# KiCad board squishy-main.kicad_pcb (continued)
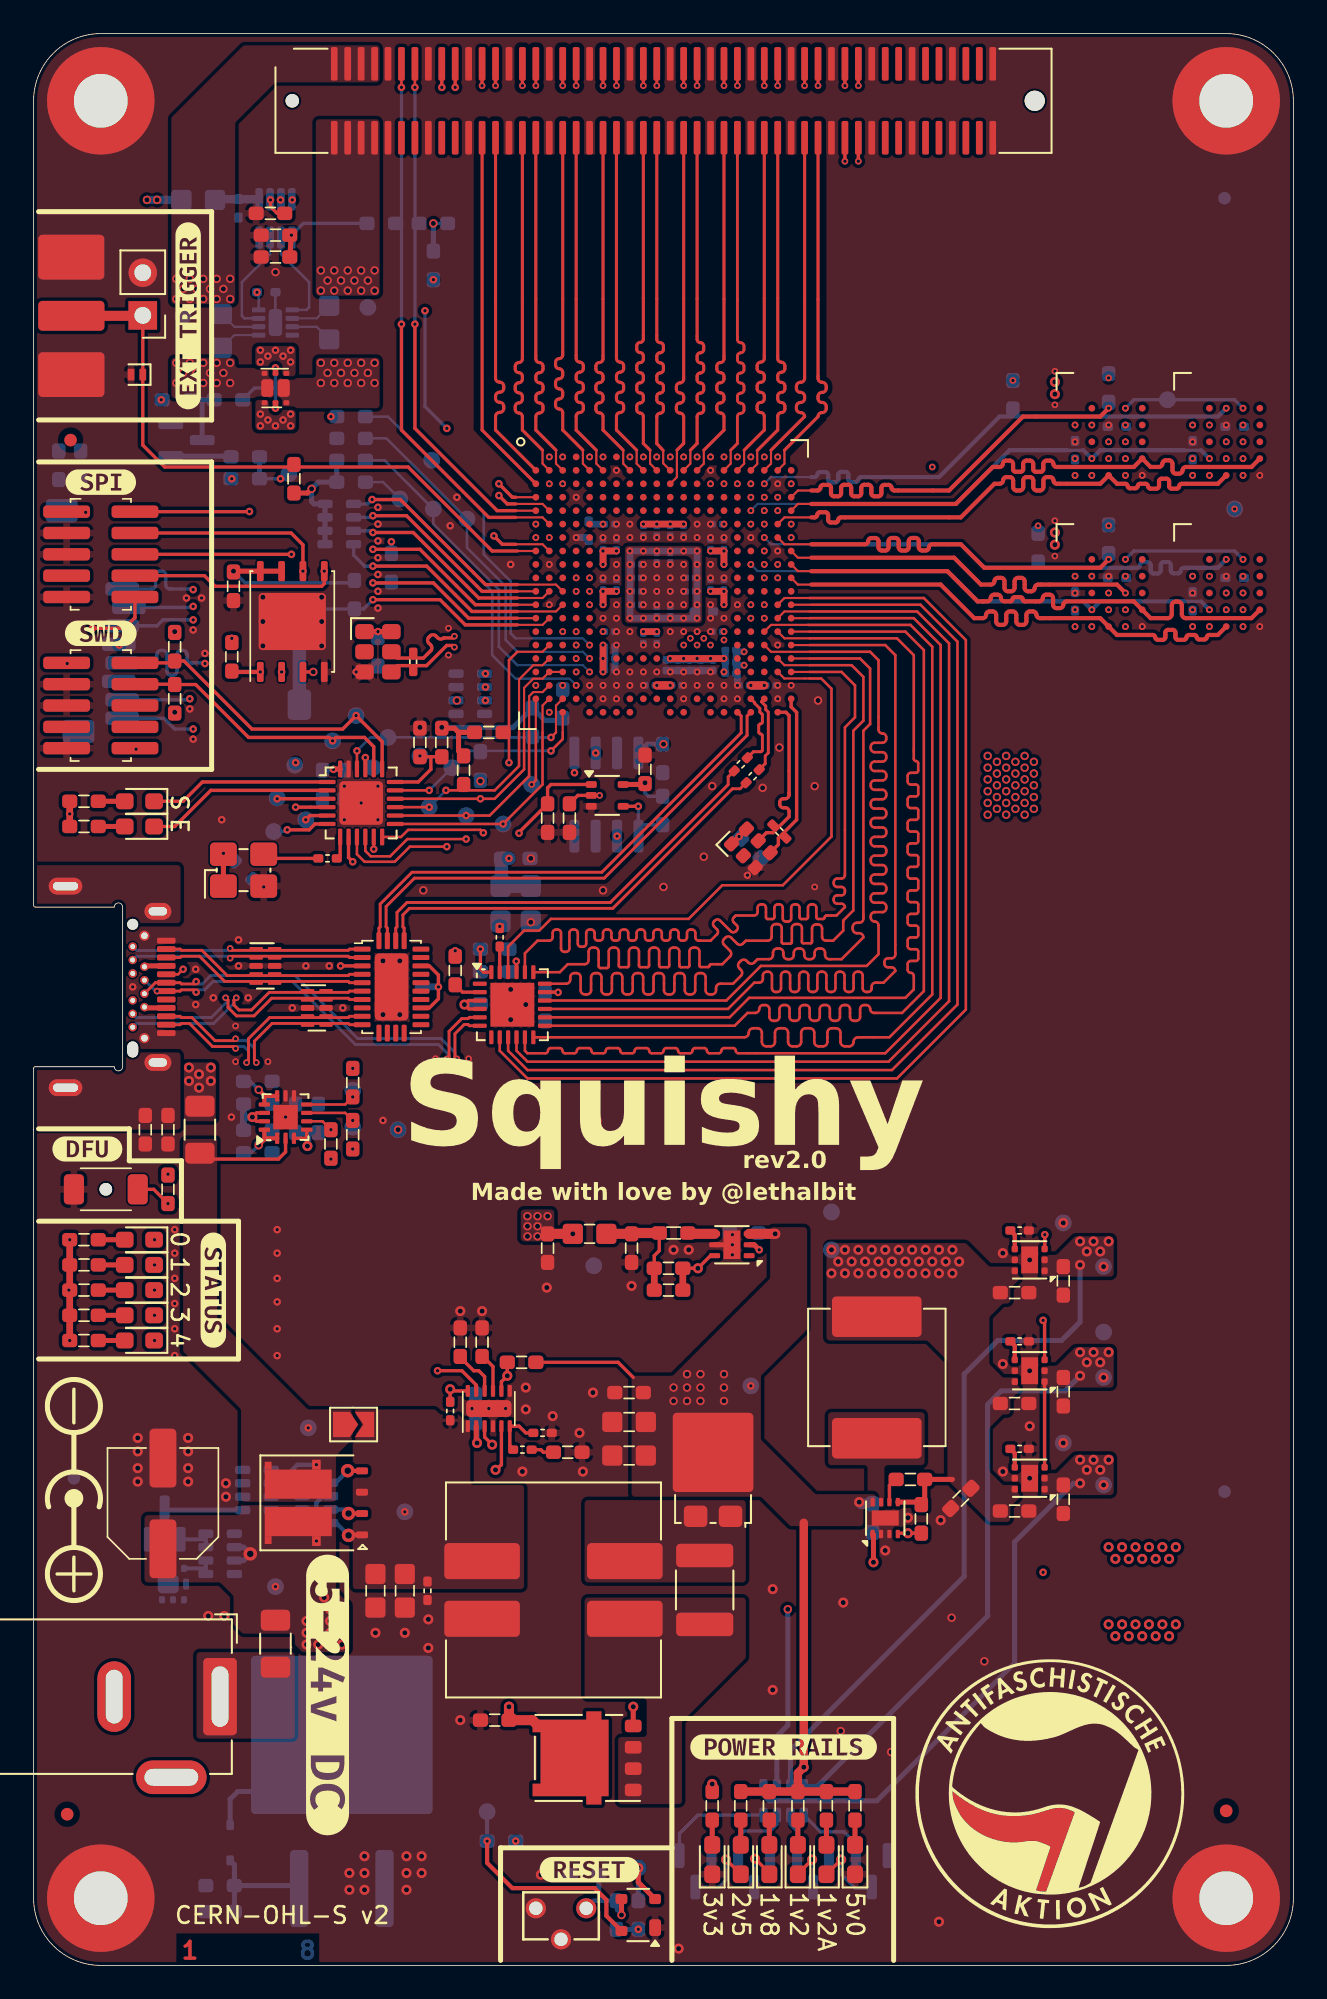
[diagram p0: board, top side]
## Routing (per net, layer and track width the routed paths; a pad name or vN(x,y) marks a point on that pad's centre or on a via; arc(x,y) is an arc through that point)
+1V2: length 56.4
  Bottom w0.3: v1(62.3,41.7) 62.3,38.3 61.2,37.2 57.4,37.2 55.4,35.2 55.4,23.15 45.05,12.8 R35.4
  Bottom w0.4: v3(35.5,84.2) v3(39.5,84.2) v3(39.5,80.2) v3(35.5,80.2) v3(35.5,84.2)
  vias: v1(62.3,43.1) v1(62.7,42.5) v1(63.1,43.1) v1(63.5,42.5) v1(63.7,41.6) v1(64,43.1) v3(35.5,83.4) v3(35.5,82.6) v3(35.5,81.8) v3(35.5,81) v3(36.3,84.2) v3(36.3,80.2) v3(37.1,84.2) v3(37.1,80.2) v3(37.9,84.2) v3(37.9,80.2) v3(38.7,84.2) v3(38.7,80.2) v3(39.5,83.4) v3(39.5,82.6) v3(39.5,81.8) v3(39.5,81) v4(56.8,72) v4(56.8,71.3) v4(56.8,70.6) v4(56.8,69.9) v4(56.8,69.2) v4(56.8,68.5) v4(57.35,71.65) v4(57.35,70.95) v4(57.35,70.25) v4(57.35,69.55) v4(57.35,68.85) v4(57.9,72) v4(57.9,71.3) v4(57.9,70.6) v4(57.9,69.9) v4(57.9,69.2) v4(57.9,68.5) v4(58.45,71.65) v4(58.45,70.95) v4(58.45,70.25) v4(58.45,69.55) v4(58.45,68.85) v4(59,72) v4(59,71.3) v4(59,70.6) v4(59,69.9) v4(59,69.2) v4(59,68.5) v4(59.55,71.65) v4(59.55,70.95) v4(59.55,70.25) v4(59.55,69.55) v4(59.55,68.85)
+1V2A: length 60.9
  Top w0.2: U17.3 U16.1
  Top w0.4: v3(37.9,77.8) v3(38.7,77.8) v3(39.5,77.8) v3(41.1,77.8) ; v3(33.9,77) v3(33.9,78.6)
  In5.Cu w0.5: v3(33.9,77.8) v3(33.9,78.6) ; v3(33.9,77.8) v3(33.9,77) ; v3(33.9,77.8) v3(37.9,77.8) v3(41.1,77.8) v3(41.1,77)
  Bottom w0.3: R35.2 46.65,10.65 56.8,20.8 56.8,33.4 57.6,34.2 61.4,34.2 v1(62.3,35.1)
  Bottom w0.4: 37.9,77.72 C84.2 38.7,77.72 ; 37.9,77.72 v3(37.9,77.8) ; 37.9,77.72 C83.2 ; 38.7,77.72 C85.2 39.5,77.72 ; 38.7,77.72 v3(38.7,77.8) ; v3(33.9,77.8) C56.2 ; C56.2 C55.2 33.9,77.02 v3(33.9,77) ; C56.2 C54.2 ; 39.5,77.72 C82.2 C81.2 40.38,77.72 v3(40.3,77.8) v3(41.1,77.8) 41.18,77.72 C59.2 ; 39.5,77.72 v3(39.5,77.8) ; C57.2 C59.2 ; C59.2 C58.2 41.18,76.92 v3(41.1,77)
  vias: v1(62.3,36.5) v1(62.7,35.9) v1(63.1,36.5) v1(63.5,35.9) v1(63.7,35) v1(64,36.5)
+1V8: length 55.4
  Top w0.2: v2(60.1,38.4) 60.19,38.31 U16.3 ; v2(60.2,43.5) 60.2,42.66 U20.3 ; 28.75,59.12 28.75,59.76 v2(28.74,59.78)
  Top w0.4: v3(40.3,84.2) v3(41.1,84.2) v3(41.1,83.4)
  Top w0.6: v1(32.1,43.55) C48.1
  In2.Cu w0.3: v2(60.1,38.4) v2(60.1,23.4)
  In4.Cu w0.3: v2(60.2,43.5) 60.2,38.5 v2(60.1,38.4) ; v3(58.3,94.35) 58.85,94.35 59.7,93.5
  In4.Cu w0.6: 30.4,47.3 30.4,58.11 v2(28.74,59.78)
  Bottom w0.2: v2(28.74,59.78) 28.74,59.59 C13.1 ; 60.1,43.4 v2(60.2,43.5)
  Bottom w0.3: v4(44.9,21.2) 44.9,14.3 44.25,13.65 R35.6
  Bottom w0.4: v3(41.1,83.4) v3(41.1,84.2) v3(40.3,84.2)
  vias: v3(59.8,85.7) v3(62,89.7) v3(62,80.7) v3(64,94.5) v3(64,85.7) v3(65,91.7) v3(65,88.7) v3(65,82.7) v3(65,79.7) v3(69,89.7) v3(69,80.7) v3(72,91.7) v3(72,88.7) v3(72,82.7) v3(72,79.7) v4(29.4,44.6) v4(29.4,44) v4(29.4,43.4) v4(30,44.6) v4(30,44) v4(30,43.4) v4(30.6,44.6)
+2V5: length 66.4
  Top w0.5: v3(42.7,76.2) v3(43.5,76.2) ; v3(37.1,76.2) v3(37.9,76.2)
  In5.Cu w0.5: v3(37.1,76.2) v3(37.9,76.2) 37.9,75.3 38.6,74.6 42.4,74.6 42.7,74.9 v3(42.7,76.2) 43.1,76.2 ; v3(33.9,79.4) 33.62,79.4 31.5,81.52 31.5,83.1 33.42,85.02 33.42,85.32 v3(33.9,85.8) 33.9,86.08 34.32,86.5 40.68,86.5 41.1,86.08 v3(41.1,85.8) ; v3(41.1,79.4) 42.7,79.4 43.1,79 43.1,76.2 ; 43.1,76.2 v3(43.5,76.2)
  Bottom w0.3: R35.8 43.45,10.15 43.8,9.8 50.2,9.8 58.4,18 58.4,25.2 61.9,28.7 v1(62.3,28.7)
  Bottom w0.4: v3(33.9,85.8) 33.2,85.8 C64.2 ; C111.2 v3(37.9,76.2)
  Bottom w0.5: v3(42.7,76.2) v3(43.5,76.2)
  vias: v1(62.3,30.1) v1(62.7,29.5) v1(63.1,30.1) v1(63.5,29.5) v1(63.7,28.6) v1(64,30.1) v3(38.7,78.6) v3(39.1,79) v3(39.5,78.6) v3(39.9,79) v3(40.3,78.6) v3(41.1,78.9)
+3V3: length 101.8
  Top w0.2: U10.3 16.25,49.24 16.26,49.25 ; U9.17 31.21,57.94 v2(31.22,57.92) ; U12.3 v4(16.65,77) ; U5.22 23.56,59.5 24.1,58.96 v2(24.1,58.25) 24.1,57.54 23.56,57 U5.17 ; U10.4 16.26,49.25 ; 16.26,49.25 16.26,48.81 v1(16.3,48.77) ; 17.88,71.22 v2(17.85,71.2) ; U9.3 25.89,57.44 v1(25.65,57.2) 25.91,56.94 U9.4
  Top w0.3: U23.5 52.7,27.58 R55.2 ; v4(16.55,87.9) 16.3,87.65 R60.1 ; C47.1 36.45,70.4 v4(36.4,70.4) C47.1 ; C47.1 36.35,70.3 U24.5 ; X1.6 v2(20.5,79.4) X1.1 ; X4.1 X4.4 ; C99.1 v2(15.35,103) C98.1 ; 25.3,73.4 25.3,72.3 R5.1 ; 25.3,73.4 R74.1 ; 25.3,73.4 25.05,73.65 R12.1 ; U21.2 42.9,42.9 v2(43.2,42.6) ; 42.35,67.57 42.37,67.57 ; U11.24 17.88,71.22 ; 52.75,27.53 53.05,27.83 R57.1 54.7,28.93 ; 41.57,66.77 v2(42,67.2) ; C23.1 v1(11.9,83) U12.8 14.76,83 ; 42,67.21 X3.6
  Top w0.4: v3(33.9,83.4) v3(33.9,84.2) v3(34.7,84.2) ; v3(33.9,81) v3(33.9,81.8) v3(34.7,81.8) ; v3(36.3,85.8) v3(38.7,85.8) ; R7.1 v2(2.15,68.55) R21.1 ; v2(2.15,43.2) 2.15,40.25 v2(2.1,40.2) 2.15,40.15 v2(2.15,37.2) ; v3(41.1,81) v3(41.1,81.8) v3(40.3,81.8) ; v3(36.3,79.4) v3(37.1,79.4)
  Bottom w0.152: U19.8 13.4,99.5 v2(13.3,99.6)
  Bottom w0.2: v1(11.9,83) 12.6,82.3 18.95,82.3 R28.1 ; R37.1 36.6,69.6 36.4,69.8 v4(36.4,70.4) ; v2(31.22,57.92) C12.2 ; v2(15.35,103) 16.05,103.7 R58.1 ; R49.1 v4(23.8,103.7)
  Bottom w0.3: v4(24.3,73.7) 28.55,73.7 R72.1 30.43,74.12 31.37,74.12 R73.1 ; R75.1 R77.1 16.95,88.3 v4(16.55,87.9) 16.55,87.15 16.7,87 R66.2 R66.8 ; R70.1 v2(21.3,84.75) ; U18.8 36.53,72.7 v4(37.5,72.7) C7.1 ; v2(11.3,66.2) 11.5,66.2 C22.1 ; 17.25,71.2 v2(17.85,71.2) 18.45,71.2 C19.1 ; R64.2 v4(23.8,103.7)
  Bottom w0.4: 16.32,49.57 16.32,48.8 v1(16.3,48.77) ; 16.32,49.57 C92.2 ; 16.32,49.57 C17.1 ; v3(33.9,83.4) C73.2 ; v3(33.9,84.2) v3(34.7,84.2) ; v3(36.3,79.4) v3(37.1,79.4) ; v3(36.3,85.8) v3(38.7,85.8) ; v3(33.9,81) v3(33.9,81.8) v3(34.7,81.8) ; v1(25.65,57.2) 25.7,57.25 C14.1 ; C11.1 v2(24.1,58.25) ; v3(40.3,81.8) v3(41.1,81.8) v3(41.1,81)
  Bottom w0.5: v4(6.75,105.1) v4(7.35,105.1) FB3.1
  Bottom w0.8: v2(28.3,65.9) C15.1 27.85,64.3 X2.4 X2.1
  vias: v1(40.4,10.8) v1(47.5,42.6) v1(47.5,41.2) v1(47.9,41.9) v1(48.3,42.6) v1(48.3,41.2) v1(48.7,41.9) v1(49.1,42.6) v1(49.1,41.2) v1(49.5,41.9) v1(49.9,42.6) v1(49.9,41.2) v1(50.3,41.9) v1(50.7,42.6) v1(50.7,41.2) v1(51.1,41.9) v1(51.5,42.6) v1(51.5,41.2) v1(51.9,41.9) v1(52.3,42.6) v1(52.3,41.2) v1(52.7,41.9) v1(53.1,42.6) v1(53.1,41.2) v1(53.5,41.9) v1(53.9,42.6) v1(53.9,41.2) v1(54.3,41.9) v1(54.7,42.6) v1(54.7,41.2) v1(55.1,41.9) v1(64,24.9) v1(64,20.3) v1(64.4,24.2) v1(64.4,19.6) v1(64.8,24.9) v1(64.8,20.3) v1(65.2,24.2) v1(65.2,19.6) v1(65.6,24.9) v1(65.6,20.3) v1(66,24.2) v1(66,19.6) v1(66.4,24.9) v1(66.4,20.3) v1(66.8,24.2) v1(66.8,19.6) v1(67.2,24.9) v1(67.2,20.3) v1(67.6,24.2) v1(67.6,19.6) v1(68,24.9) v1(68,20.3) v2(2,77.5) v2(3.1,86.5) v2(5.1,78.6) v2(8,47.1) v2(11.8,88.5) v2(11.8,79) v2(13.5,96.15) v2(13.5,95.45) v2(13.95,95.8) v2(14.4,96.15) v2(14.85,95.8) v2(15.3,96.15) v2(15.3,95.45) v2(17.7,92.2) v2(17.7,48) v2(19,53.4) v2(19,48.6) v3(37.1,85.8) v3(37.9,85.8) v4(8.4,79.4) v4(8.4,74.6) v4(25.2,75.3) v4(26.6,70.5)
+5V: length 78.7
  Top w0.2: 35.7,35 34.8,35.9 R18.2 ; U10.12 13.28,50.75 v1(13.03,50.5) 13.28,50.25 U10.13
  Top w0.5: R34.1 R31.1 ; 45.85,26.35 v1(45.85,11.8) 45.5,11.45 R79.1
  Top w0.6: U21.3 v1(44.15,43.55)
  In4.Cu w0.4: 12.9,92 8.8,92 v2(7.6,93.2) ; 37.1,7.4 43.7,7.4 45.85,9.55 v1(45.85,11.8) ; 37.1,7.4 v2(28.7,7.4) ; 37.1,7.4 37.1,3.25 v2(36,2.15) ; v2(25.1,60.4) 23.5,62 15.9,62
  Bottom w0.3: v2(36,2.15) 35,2.15
  Bottom w0.4: 12.5,50.5 C16.1 ; 12.5,50.5 12.5,51.07 ; 12.5,50.5 v1(13.03,50.5)
  Bottom w0.6: C46.1 49.25,27.48 v1(49.15,27.58) ; v1(44.15,43.55) 43.15,43.55
  vias: v2(13.5,92.35) v2(13.5,91.65) v2(13.95,92) v2(14.4,91.65) v2(14.85,92) v2(15.3,92.35) v2(15.3,91.65) v2(42.7,34.5) v4(38.1,34.4) v4(38.1,33.6) v4(38.9,35.2) v4(38.9,34.4) v4(38.9,33.6) v4(39.7,35.2) v4(39.7,34.4) v4(39.7,33.6) v4(41.1,35.2) v4(41.1,34.4) v4(41.1,33.6)
/USB Frontend/VBUS_S: length 1.6
  Top w0.2: R9.2 25.54,57.94 U9.2
GND: length 11.5
  Top w0.3: U21.5 U21.7
  Bottom w0.152: U19.9 C96.1
  Bottom w0.4: v3(40.3,77) 40.38,77.08 C81.1 C82.1 39.5,77.08 ; v3(38.7,77) 38.7,77.08 ; 38.7,77.08 C85.1 39.5,77.08 ; 38.7,77.08 C84.1 37.9,77.08 ; C83.1 37.9,77.08 ; 37.9,77.08 v3(37.9,77) ; v3(42.3,77.4) 41.82,77.4 ; 41.82,77.4 C58.1 41.9,76.82 v3(41.9,76.2) ; 41.82,77.4 C59.1 C57.1 41.92,78.2 v3(42.3,78.2) ; 39.5,77.08 v3(39.5,77) ; C64.1 32.9,85 v3(32.3,85) ; C54.1 C56.1 C55.1 34.62,77.08 v3(34.7,77)
  vias: v1(6.2,31.4) v1(6.2,30.6) v1(6.2,29.6) v1(6.2,28.8) v1(9.2,31.4) v1(9.2,30.6) v1(9.2,29.6) v1(9.2,28.8) v1(10.4,20.8) v1(11.35,20.8) v1(11.45,28.7) v1(11.45,27.9) v1(18.8,5.5) v1(18.8,4.5) v1(19.7,6.5) v1(19.7,5.5) v1(19.7,4.5) v1(20.35,19.8) v1(20.8,59.8) v1(20.8,56.6) v1(21.8,59.8) v1(21.8,56.6) v1(22.1,19.8) v1(22.2,6.5) v1(22.2,5.5) v1(22.2,4.5) v1(23.1,6.5) v1(23.1,5.5) v1(23.5,20.6) v1(23.5,18.9) v1(25.4,38.95) v1(25.4,14.6) v1(26.7,38.95) v1(28.4,58.1) v1(28.4,56.3) v1(29.1,29.4) v1(29.3,57.2) v1(29.3,34.4) v1(29.3,33.1) v1(30.2,5.4) v1(30.55,40.35) v1(30.9,32.7) v1(32.5,31.7) v1(32.7,29.4) v1(33.3,34.1) v1(35.6,40.45) v1(38.1,42.6) v1(38.4,1) v1(39,42.6) v1(44,22.4) v1(44,16.4) v1(48.2,21.6) v1(50.7,24.7) v1(52.05,26.65) v1(53.9,2.6) v1(54,26.5) v1(57.7,42.4) v1(57.7,35.8) v1(57.7,29.4) v1(59.3,42) v1(59.3,35.4) v1(59.3,32.1) v1(59.3,29) v1(61.3,44.2) v1(61.3,31.1) v2(5.9,58.25) v2(8.4,43.8) v2(8.4,42.4) v2(8.4,40.9) v2(8.4,39.4) v2(8.4,37.9) v2(8.4,36.3) v2(9.1,81.4) v2(9.3,74.8) v2(9.5,79.5) v2(9.5,73) v2(9.65,59.3) v2(9.65,57.2) v2(10,81.4) v2(10.2,78.1) v2(10.7,57.6) v2(11.2,68.2) v2(11.78,50.5) v2(12.2,61.05) v2(12.2,59.5) v2(12.78,57.6) v2(13.7,64.2) v2(14.5,43.8) v2(14.5,42.4) v2(14.5,40.9) v2(14.5,39.5) v2(14.5,37.9) v2(14.5,36.3) v2(15,50.5) v2(15.4,57) v2(16.21,59.5) v2(17.6,59.5) v2(18.41,57) v2(18.5,70.2) v2(18.5,68.2) v2(19.2,77) v2(19.5,69.2) v2(20.5,86.8) v2(20.5,85.8) v2(20.5,84.8) v2(20.5,83.8) v2(20.5,82.8) v2(20.5,81.8) v2(20.5,80.8) v2(20.5,70.2) v2(20.5,68.2) v2(20.8,50.3) v2(24.8,85.7) v2(25.2,87.4) v2(26.1,33.15) v2(27.1,33.15) v2(28.1,33.15) v2(28.4,83.4) v2(33.6,50.3) v2(41.6,43.5) v2(41.6,42.9) v2(41.6,42.3) v2(42.5,64.9) v3(12.03,55.92) v3(12.03,53.8) v3(13.95,53.8) v3(23.93,53.98) v3(24.7,79.6) v3(24.7,78) v3(25.9,53.97) v3(30.7,83.4) v3(30.7,81) v3(32.3,87.4) v3(33.1,76.2) v3(33.9,85) v3(33.9,82.6) v3(33.9,80.2) v3(33.9,76.2) v3(33.9,75.4) v3(34.7,89) v3(34.7,85.8) v3(34.7,85) v3(34.7,83.4) v3(34.7,82.6) v3(34.7,81) v3(34.7,80.2) v3(34.7,79.4) v3(34.7,78.6) v3(34.7,76.2) v3(34.7,75.4) v3(35.5,85.8) v3(35.5,85) v3(35.5,79.4) v3(35.5,77) v3(35.5,76.2) v3(36.3,85) v3(36.3,83.4) v3(36.3,82.6) v3(36.3,81.8) v3(36.3,81) v3(36.3,78.6) v3(36.3,77) v3(36.3,76.2) v3(37.1,85) v3(37.1,83.4) v3(37.1,82.6) v3(37.1,81.8) v3(37.1,81) v3(37.1,78.6) v3(37.1,77) v3(37.9,85) v3(37.9,83.4) v3(37.9,82.6) v3(37.9,81.8) v3(37.9,81) v3(37.9,79.4) v3(38.7,85) v3(38.7,83.4) v3(38.7,82.6) v3(38.7,81.8) v3(38.7,81) v3(38.7,79.4) v3(38.7,76.2) v3(38.7,75.4) v3(39.5,85.8) v3(39.5,85) v3(39.5,79.4) v3(39.5,76.2) v3(40.3,89) v3(40.3,85.8) v3(40.3,85) v3(40.3,83.4) v3(40.3,82.6) v3(40.3,81) v3(40.3,80.2) v3(40.3,79.4) v3(40.3,76.2) v3(41.1,85) v3(41.1,82.6) v3(41.1,80.2) v3(41.1,76.2) v3(41.1,75.4) v3(41.9,81) v3(41.9,75.4) v3(42.7,85) v3(44.3,88.2) v3(44.3,84.2) v3(44.3,78.6) v3(44.3,76.2) v3(44.3,75.4) v3(45.1,76.2) v3(46.5,64.2) v3(60.8,94.9) v3(60.8,92.9) v3(60.8,86) v3(60.8,83.9) v3(62,90.7) v3(62,81.7) v3(64,91.7) v3(64,82.7) v3(66,88.7) v3(66,79.7) v3(69,90.7) v3(69,81.7) v3(71,91.7) v3(71,82.7) v3(73,88.7) v3(73,79.7) v4(13.65,81.45) v4(13.65,80) v4(13.65,78.55) v4(14.4,100.8) v4(17.15,81.45) v4(17.15,80) v4(17.15,78.55) v4(23,73.7) v4(23.2,64) v4(29.6,65.9) v4(29.6,62.1) v4(33.9,64) v4(37.5,64.2) v4(39.9,66) v4(40.4,70.2) v4(43.4,70.1) v4(44.4,72.5) v4(46.5,70.2) v4(46.7,75.3) v4(48.05,13.95) v4(51.05,12.7) v4(54.65,20.7) v4(56.6,18.1)
VBUS: length 9.4
  Top w0.2: U10.2 15,48.42 14.57,48 10.25,48 F2.2
  Bottom w0.25: R46.6 14.6,28.7 15.71,29.81 v2(16.83,29.81)
  vias: v2(16.35,32)
VCC: length 2.2
  Top w0.25: v5(18.75,25.6) 18.78,25.63 Q10.1
  Bottom w0.25: v5(18.75,25.6) 18.01,26.33 17.69,26.33
  vias: v2(22.1,27)
/ADC_CH: length 31.4
  Top w0.2: R59.1 14.5,104.3 14.1,104.7 v2(14.1,105.1)
  In5.Cu w0.127: v3(29.9,85) 28.7,85
  In5.Cu w0.2: 28.7,85 28.2,85 25.9,87.3 25.9,90.9 20.7,96.1 16.7,96.1 15.3,97.5 15.3,101 14.1,102.2 v2(14.1,105.1)
/ADC_CLK: length 28.4
  In5.Cu w0.127: v3(29.9,85.8) 28.7,85.8
  In5.Cu w0.2: v2(15.4,105.1) 15.4,103.9 16.4,102.9 16.4,97.8 17.1,97.1 21.1,97.1 26.7,91.5 26.7,87.8 28.7,85.8
/ADC_DAT: length 30.1
  In5.Cu w0.127: v3(30.7,85) 30.3,85.4 28.7,85.4
  In5.Cu w0.2: 28.7,85.4 28.5,85.4 26.3,87.6 26.3,91.2 20.9,96.6 16.9,96.6 15.8,97.7 15.8,101.2 14.7,102.3 v2(14.7,105.1)
/DFU: length 35.6
  Top w0.2: v2(8,45.35) 7.15,46.2 SW2.2 ; U11.8 18.75,65.95 v2(19,65.7)
  In2.Cu w0.2: v2(19,65.7) 20.1,64.6 20.1,47.1 18.35,45.35 v2(8,45.35)
/FBIT_CS: length 8.2
  Top w0.152: U24.2 v3(33.7,69.65)
  Top w0.2: U24.2 32.4,69.65 R38.1
  In5.Cu w0.127: v3(30.7,74.6) 31.9,73.4
  In5.Cu w0.152: v3(33.7,69.65) 33.7,69.9 32.8,70.8 32.8,72.5 31.9,73.4
/FLASH_CIPO: length 29.5
  Top w0.2: v2(15.1,67.6) 16.4,67.6 16.75,67.95 U11.6 ; v2(15.35,84) J8.6
  In2.Cu w0.2: v2(15.35,84) 15.35,83 14.76,82.41 v2(14.76,77) 14.75,76.98 14.75,76.05 15.1,75.7 v2(15.1,67.6)
  Bottom w0.152: TP27.1 15,67.5 v2(15.1,67.6)
/FLASH_CLK: length 28.2
  Top w0.2: U11.4 v2(15.6,68.95) ; J8.4 15.33,85.27 16.03,84.56 v2(16.03,83)
  In2.Cu w0.2: 16.05,82.98 v2(16.03,83) 15.4,82.36 15.4,76.15 15.6,75.95 15.6,71.85 15.6,71.85 15.6,71.85 15.6,68.95 v2(15.6,68.95)
  vias: v2(15.6,71.6)
/FLASH_COPI: length 29.2
  Top w0.2: J8.8 10.17,82.73 10.8,82.1 17.15,82.1 17.31,82.25 v2(17.31,83) ; v2(16.2,68.2) 16.45,68.45 U11.5
  In2.Cu w0.2: v2(16.2,68.2) 16.2,75.95 15.9,76.25 15.9,81.59 v2(17.31,83)
/FPGA_CCLK: length 23.9
  Top w0.127: U1.U3 U1.U2 30.3,76.6 29.75,76.6 29.2,76.05 29.2,73.4
  Top w0.152: U11.16 v2(26.6,69.45) 27.45,69.45 29.2,71.2 29.2,73.4
  In2.Cu w0.2: v2(33.47,72.17) 31.47,72.17 30.3,71 28.15,71 v2(26.6,69.45)
/FPGA_CFG0: length 6.6
  In5.Cu w0.127: v3(32.3,77) 28.7,77
  In5.Cu w0.152: v2(26.9,75.3) 27.6,75.3 27.9,75.6 27.9,76.4 28.5,77 28.7,77
/FPGA_CFG1: length 6.3
  In5.Cu w0.127: v3(32.3,77.8) 31.9,77.4 28.7,77.4
  In5.Cu w0.152: v2(26.9,76.1) 27.4,76.1 27.6,76.3 27.6,76.7 28.3,77.4 28.7,77.4
/FPGA_CFG2: length 6.5
  In5.Cu w0.127: v3(32.3,78.6) 31.5,77.8 28.7,77.8
  In5.Cu w0.152: 28.7,77.8 27.1,77.8 26.9,77.6 v2(26.9,76.9)
/FPGA_CIPO: length 25.1
  Top w0.127: U1.V2 30.3,75.8 29.75,75.8 29.5,75.55 29.5,73.4
  Top w0.152: 29.5,73.4 29.5,70.8 27.15,68.45 v2(25.75,68.45) U11.14
  In2.Cu w0.2: v2(34.74,67.22) 34.43,67.22 33.9,66.7 28.2,66.7 26.45,68.45 v2(25.75,68.45)
/FPGA_COPI: length 22.8
  Top w0.127: 30.3,73.4 30.3,75 U1.W2
  Top w0.152: 30.3,73.4 30.3,70.3 v2(27.95,67.95) U11.13
  In2.Cu w0.2: v2(32.2,71) 32.2,69.1 31.05,67.95 v2(27.95,67.95)
  Bottom w0.2: v2(32.2,71) 32.19,71 U18.5
/FPGA_DONE: length 12.9
  Top w0.127: U1.Y3 31.5,73.4
  Top w0.152: v2(30.8,72.3) 31.5,73 31.5,73.4 ; 23.5,69.95 v2(23.55,69.95) U11.17
  Bottom w0.152: v2(23.55,69.95) 25.9,72.3 v2(30.8,72.3)
/FPGA_LED0: length 61.5
  In2.Cu w0.127: v3(32.3,82.6) 28.8,82.6
  In2.Cu w0.2: v2(7.2,43.2) 20.8,43.2 22.4,44.8 22.4,60.7 21.2,61.9 21.2,73.8 26.4,79 26.4,81.4 27.6,82.6 28.8,82.6
/FPGA_LED1: length 63
  In2.Cu w0.127: 28.8,82.2 32.7,82.2 v3(33.1,82.6)
  In2.Cu w0.2: 28.8,82.2 27.8,82.2 26.8,81.2 26.8,78.8 21.7,73.7 21.7,62 22.9,60.8 22.9,44.6 20,41.7 v2(7.2,41.7)
/FPGA_LED2: length 62.5
  In2.Cu w0.127: v3(32.3,81.8) 28.8,81.8
  In2.Cu w0.2: v2(7.2,40.2) 19.2,40.2 23.4,44.4 23.4,60.9 22.2,62.1 22.2,73.6 27.2,78.6 27.2,81 28,81.8 28.8,81.8
/FPGA_LED3: length 67.9
  In2.Cu w0.127: 28.8,81.4 32.7,81.4 v3(33.1,81.8)
  In2.Cu w0.2: v2(7.2,38.7) 18.4,38.7 23.9,44.2 23.9,52.3 24.5,52.9 26.2,52.9 26.6,53.3 26.6,57.3 23.9,60 23.9,61.1 22.6,62.4 22.6,70.9 26.2,74.5 27.2,74.5 27.6,74.9 27.6,80.8 28.2,81.4 28.8,81.4
/FPGA_LED4: length 68.2
  In2.Cu w0.127: v3(33.1,81) 32.7,80.6 28.8,80.6
  In2.Cu w0.2: v2(7.2,37.2) 17.6,37.2 24.4,44 24.4,52.1 24.8,52.5 26.4,52.5 27.1,53.2 27.1,57.4 24.3,60.2 24.3,63.9 23,65.2 23,70.7 26.4,74.1 27.4,74.1 28,74.7 28,80.4 28.2,80.6 28.8,80.6
/FPGA_TCK: length 21.6
  Bottom w0.127: 28.8,78.2 32.7,78.2 v3(33.1,77.8)
  Bottom w0.152: 28.8,78.2 28.1,78.9 28.1,82.1 25.8,84.4 TP16.1 21,90.9 R6.2
/FPGA_TDI: length 22.3
  Bottom w0.127: v3(33.1,78.6) 32.7,79 28.7,79
  Bottom w0.152: 28.7,79 28.4,79.3 28.4,82.4 26.8,84 26.8,86.5 TP17.1 21.1,92.2 R76.2
/FPGA_TDO: length 19.8
  Bottom w0.127: v3(32.3,76.2) 31.9,76.6 28.7,76.6
  Bottom w0.152: 28.7,76.6 27.3,78 27.3,81.8 20.8,88.3 R77.2
/FPGA_TMS: length 21.1
  Bottom w0.127: v3(33.1,77) 32.7,77.4 28.8,77.4
  Bottom w0.152: R75.2 20.9,89.6 TP18.1 23.8,85.8 27.7,81.9 27.7,78.5 28.8,77.4
/PHY.ACK: length 21.9
  Top w0.127: 38.3,90.2 38.3,88.6 U1.C11
  Top w0.186: 38.3,90.2 38.7,90.6 38.7,92.19 arc(38.64,92.35) 38.48,92.41 arc(38.33,92.47) 38.26,92.63 38.26,92.79 arc(38.33,92.95) 38.48,93.01 arc(38.64,93.07) 38.7,93.23 38.7,93.39 arc(38.64,93.55) 38.48,93.61 arc(38.33,93.67) 38.26,93.83 38.26,93.99 arc(38.33,94.15) 38.48,94.21 arc(38.64,94.27) 38.7,94.43 J7.54
/PHY.ATN: length 21.9
  Top w0.127: 37.48,90.18 37.48,89.42 U1.B11
  Top w0.186: 37.48,90.18 37.1,90.6 37.1,92.2 arc(37.16,92.34) 37.3,92.4 arc(37.44,92.46) 37.5,92.6 37.5,92.8 arc(37.44,92.94) 37.3,93 arc(37.16,93.06) 37.1,93.2 37.1,93.4 arc(37.16,93.54) 37.3,93.6 arc(37.44,93.66) 37.5,93.8 37.5,94 arc(37.44,94.14) 37.3,94.2 arc(37.16,94.26) 37.1,94.4 37.1,94.6 arc(37.16,94.74) 37.3,94.8 arc(37.44,94.86) 37.5,95 37.5,95.2 arc(37.44,95.34) 37.3,95.4 arc(37.16,95.46) 37.1,95.6 37.1,95.8 arc(37.16,95.94) 37.3,96 arc(37.44,96.06) 37.5,96.2 37.5,96.4 arc(37.44,96.54) 37.3,96.6 arc(37.16,96.66) 37.1,96.8 J7.50
/PHY.BSY: length 25.4
  Top w0.17: J7.49 v3(37.1,111.9)
  In2.Cu w0.177: v3(37.9,89.8) 37.1,90.6 37.1,92.23 arc(37.17,92.4) 37.34,92.47 37.35,92.47 arc(37.52,92.54) 37.59,92.71 37.59,92.83 arc(37.52,93) 37.35,93.07 37.34,93.07 arc(37.17,93.14) 37.1,93.31 37.1,93.43 arc(37.17,93.6) 37.34,93.67 37.35,93.67 arc(37.52,93.74) 37.59,93.91 37.59,94.03 arc(37.52,94.2) 37.35,94.27 37.34,94.27 arc(37.17,94.34) 37.1,94.51 37.1,94.63 arc(37.17,94.8) 37.34,94.87 37.35,94.87 arc(37.52,94.94) 37.59,95.11 37.59,95.23 arc(37.52,95.4) 37.35,95.47 37.34,95.47 arc(37.17,95.54) 37.1,95.71 v3(37.1,111.9)
/PHY.BSY_DIR: length 25.4
  Top w0.186: J7.53 v3(38.7,111.9)
  In2.Cu w0.177: v3(38.7,89.8) 38.7,92.22 arc(38.64,92.37) 38.48,92.44 arc(38.32,92.5) 38.26,92.66 38.26,92.82 arc(38.32,92.97) 38.48,93.04 arc(38.64,93.1) 38.7,93.26 38.7,93.42 arc(38.64,93.57) 38.48,93.64 arc(38.32,93.7) 38.26,93.86 38.26,94.02 arc(38.32,94.17) 38.48,94.24 arc(38.64,94.3) 38.7,94.46 38.7,94.62 arc(38.64,94.77) 38.48,94.84 arc(38.32,94.9) 38.26,95.06 38.26,95.22 arc(38.32,95.37) 38.48,95.44 arc(38.64,95.5) 38.7,95.66 38.7,95.82 arc(38.64,95.97) 38.48,96.04 arc(38.32,96.1) 38.26,96.26 38.26,96.42 arc(38.32,96.57) 38.48,96.64 arc(38.64,96.7) 38.7,96.86 v3(38.7,111.9)
/PHY.C/D: length 21.9
  Top w0.127: 41.5,90.2 41.5,89.4 U1.B15
  Top w0.17: 41.5,90.2 41.9,90.6 41.9,92.2 arc(41.96,92.34) 42.1,92.4 arc(42.24,92.45) 42.29,92.59 42.29,92.8 arc(42.24,92.94) 42.1,93 arc(41.96,93.05) 41.9,93.19 41.9,93.4 arc(41.96,93.54) 42.1,93.6 arc(42.24,93.65) 42.29,93.79 42.29,94 arc(42.24,94.14) 42.1,94.2 arc(41.96,94.25) 41.9,94.39 41.9,94.6 arc(41.96,94.74) 42.1,94.8 arc(42.24,94.85) 42.29,94.99 42.29,95.2 arc(42.24,95.34) 42.1,95.4 arc(41.96,95.45) 41.9,95.59 41.9,95.8 arc(41.96,95.94) 42.1,96 arc(42.24,96.05) 42.29,96.19 42.29,96.4 arc(42.24,96.54) 42.1,96.6 arc(41.96,96.65) 41.9,96.79 J7.62
/PHY.DB0: length 21.9
  Top w0.127: U1.B5 32.7,89.4 32.7,90.2
  Top w0.186: J7.36 31.5,95.87 arc(31.44,95.71) 31.29,95.65 arc(31.14,95.59) 31.07,95.44 31.07,95.27 arc(31.14,95.11) 31.29,95.05 arc(31.44,94.99) 31.5,94.84 31.5,94.67 arc(31.44,94.51) 31.29,94.45 arc(31.14,94.39) 31.07,94.24 31.07,94.07 arc(31.14,93.91) 31.29,93.85 arc(31.44,93.79) 31.5,93.64 31.5,93.47 arc(31.44,93.31) 31.29,93.25 arc(31.14,93.19) 31.07,93.04 31.07,92.87 arc(31.14,92.71) 31.29,92.65 arc(31.44,92.59) 31.5,92.44 31.5,91.4 32.7,90.2
/PHY.DB1: length 25.4
  Top w0.17: J7.37 v3(32.3,111.9)
  In2.Cu w0.177: v3(32.3,111.9) 32.3,95.59 arc(32.36,95.45) 32.5,95.4 arc(32.64,95.34) 32.69,95.2 32.69,94.99 arc(32.64,94.85) 32.5,94.8 arc(32.36,94.74) 32.3,94.6 32.3,94.39 arc(32.36,94.25) 32.5,94.2 arc(32.64,94.14) 32.69,94 32.69,93.79 arc(32.64,93.65) 32.5,93.6 arc(32.36,93.54) 32.3,93.4 32.3,93.19 arc(32.36,93.05) 32.5,93 arc(32.64,92.94) 32.69,92.8 32.69,92.59 arc(32.64,92.45) 32.5,92.4 arc(32.36,92.34) 32.3,92.2 32.3,91.4 v3(33.9,89.8)
/PHY.DB2: length 21.9
  Top w0.127: 33.5,90.2 33.5,89.4 U1.B6
  Top w0.186: 33.5,90.2 32.3,91.4 32.3,92.23 arc(32.36,92.38) 32.51,92.44 arc(32.66,92.51) 32.73,92.66 32.73,92.83 arc(32.66,92.98) 32.51,93.04 arc(32.36,93.11) 32.3,93.26 32.3,93.43 arc(32.36,93.58) 32.51,93.64 arc(32.66,93.71) 32.73,93.86 32.73,94.03 arc(32.66,94.18) 32.51,94.24 arc(32.36,94.31) 32.3,94.46 32.3,94.63 arc(32.36,94.78) 32.51,94.84 arc(32.66,94.91) 32.73,95.06 32.73,95.23 arc(32.66,95.38) 32.51,95.44 arc(32.36,95.51) 32.3,95.66 J7.38
/PHY.DB3: length 25.4
  Top w0.186: J7.41 v3(33.9,111.9)
  In2.Cu w0.177: v3(33.9,111.9) 33.9,95.57 arc(33.84,95.43) 33.7,95.37 arc(33.56,95.31) 33.51,95.17 33.51,94.97 arc(33.56,94.83) 33.7,94.77 arc(33.84,94.71) 33.9,94.57 33.9,94.37 arc(33.84,94.23) 33.7,94.17 arc(33.56,94.11) 33.51,93.97 33.51,93.77 arc(33.56,93.63) 33.7,93.57 arc(33.84,93.51) 33.9,93.37 33.9,93.17 arc(33.84,93.03) 33.7,92.97 arc(33.56,92.91) 33.51,92.77 33.51,92.57 arc(33.56,92.43) 33.7,92.37 arc(33.84,92.31) 33.9,92.17 33.9,91.4 v3(35.5,89.8)
/PHY.DB4: length 21.9
  Top w0.127: 35.1,90.2 35.1,89.4 U1.B8
  Top w0.186: 35.1,90.2 33.9,91.4 33.9,92.21 arc(33.84,92.36) 33.69,92.42 arc(33.54,92.48) 33.47,92.63 33.47,92.81 arc(33.54,92.96) 33.69,93.02 arc(33.84,93.08) 33.9,93.23 33.9,93.41 arc(33.84,93.56) 33.69,93.62 arc(33.54,93.68) 33.47,93.83 33.47,94.01 arc(33.54,94.16) 33.69,94.22 arc(33.84,94.28) 33.9,94.43 33.9,94.61 arc(33.84,94.76) 33.69,94.82 arc(33.54,94.88) 33.47,95.03 33.47,95.21 arc(33.54,95.36) 33.69,95.42 arc(33.84,95.48) 33.9,95.63 J7.42
/PHY.DB5: length 25.4
  Top w0.17: J7.43 v3(34.7,111.9)
  In2.Cu w0.177: v3(34.7,111.9) 34.7,95.57 arc(34.76,95.43) 34.9,95.37 arc(35.04,95.31) 35.09,95.17 35.09,94.97 arc(35.04,94.83) 34.9,94.77 arc(34.76,94.71) 34.7,94.57 34.7,94.37 arc(34.76,94.23) 34.9,94.17 arc(35.04,94.11) 35.09,93.97 35.09,93.77 arc(35.04,93.63) 34.9,93.57 arc(34.76,93.51) 34.7,93.37 34.7,93.17 arc(34.76,93.03) 34.9,92.97 arc(35.04,92.91) 35.09,92.77 35.09,92.57 arc(35.04,92.43) 34.9,92.37 arc(34.76,92.31) 34.7,92.17 34.7,91.4 v3(36.3,89.8)
/PHY.DB6: length 21.9
  Top w0.127: 35.9,90.2 35.9,89.4 U1.B9
  Top w0.186: 35.9,90.2 34.7,91.4 34.7,92.23 arc(34.76,92.38) 34.91,92.44 arc(35.06,92.5) 35.13,92.66 35.13,92.83 arc(35.06,92.98) 34.91,93.04 arc(34.76,93.1) 34.7,93.26 34.7,93.43 arc(34.76,93.58) 34.91,93.64 arc(35.06,93.7) 35.13,93.86 35.13,94.03 arc(35.06,94.18) 34.91,94.24 arc(34.76,94.3) 34.7,94.46 34.7,94.63 arc(34.76,94.78) 34.91,94.84 arc(35.06,94.9) 35.13,95.06 35.13,95.23 arc(35.06,95.38) 34.91,95.44 arc(34.76,95.5) 34.7,95.66 J7.44
/PHY.DB7: length 25.4
  Top w0.186: J7.47 v3(36.3,111.9)
  In2.Cu w0.177: v3(37.1,89.8) 36.3,90.6 36.3,92.25 arc(36.23,92.42) 36.06,92.49 36.05,92.49 arc(35.88,92.56) 35.81,92.73 35.81,92.85 arc(35.88,93.02) 36.05,93.09 36.06,93.09 arc(36.23,93.16) 36.3,93.33 36.3,93.45 arc(36.23,93.62) 36.06,93.69 36.05,93.69 arc(35.88,93.76) 35.81,93.93 35.81,94.05 arc(35.88,94.22) 36.05,94.29 36.06,94.29 arc(36.23,94.36) 36.3,94.53 36.3,94.65 arc(36.23,94.82) 36.06,94.89 36.05,94.89 arc(35.88,94.96) 35.81,95.13 35.81,95.25 arc(35.88,95.42) 36.05,95.49 36.06,95.49 arc(36.23,95.56) 36.3,95.73 v3(36.3,111.9)
/PHY.DB8: length 25.4
  Top w0.186: J7.71 v3(45.9,111.9)
  In2.Cu w0.177: v3(45.9,111.9) 45.9,94.45 arc(45.83,94.29) 45.68,94.22 arc(45.52,94.16) 45.45,94 45.45,93.85 arc(45.52,93.69) 45.68,93.62 arc(45.83,93.56) 45.9,93.4 45.9,93.25 arc(45.83,93.09) 45.68,93.02 arc(45.52,92.96) 45.45,92.8 45.45,92.65 arc(45.52,92.49) 45.68,92.42 arc(45.83,92.36) 45.9,92.2 v3(43.5,89.8)
/PHY.DB9: length 21.9
  Top w0.127: 43.9,90.2 43.9,89.4 U1.B18
  Top w0.186: 43.9,90.2 45.9,92.2 arc(45.83,92.37) 45.66,92.44 45.65,92.44 arc(45.48,92.51) 45.41,92.68 45.41,92.8 arc(45.48,92.97) 45.65,93.04 45.66,93.04 arc(45.83,93.11) 45.9,93.28 45.9,93.4 arc(45.83,93.57) 45.66,93.64 45.65,93.64 arc(45.48,93.71) 45.41,93.88 45.41,94 arc(45.48,94.17) 45.65,94.24 45.66,94.24 arc(45.83,94.31) 45.9,94.48 J7.72
/PHY.DB10: length 25.4
  Top w0.186: J7.73 v3(46.7,111.9)
  In2.Cu w0.177: v3(44.3,89.8) 46.7,92.2 arc(46.77,92.36) 46.92,92.42 arc(47.08,92.49) 47.15,92.65 47.15,92.8 arc(47.08,92.96) 46.92,93.02 arc(46.77,93.09) 46.7,93.25 46.7,93.4 arc(46.77,93.56) 46.92,93.62 arc(47.08,93.69) 47.15,93.85 47.15,94 arc(47.08,94.16) 46.92,94.22 arc(46.77,94.29) 46.7,94.45 v3(46.7,111.9)
/PHY.DB11: length 21.9
  Top w0.127: U1.B19 44.7,89.4 44.7,90.2
  Top w0.186: J7.74 46.7,94.48 arc(46.77,94.31) 46.94,94.24 46.95,94.24 arc(47.12,94.17) 47.19,94 47.19,93.88 arc(47.12,93.71) 46.95,93.64 46.94,93.64 arc(46.77,93.57) 46.7,93.4 46.7,93.28 arc(46.77,93.11) 46.94,93.04 46.95,93.04 arc(47.12,92.97) 47.19,92.8 47.19,92.68 arc(47.12,92.51) 46.95,92.44 46.94,92.44 arc(46.77,92.37) 46.7,92.2 44.7,90.2
/PHY.DB12: length 25.4
  Top w0.186: J7.29 v3(29.1,111.9)
  In2.Cu w0.177: v3(29.1,111.9) 29.1,95.62 arc(29.04,95.48) 28.9,95.43 arc(28.76,95.37) 28.71,95.23 28.71,95.02 arc(28.76,94.88) 28.9,94.83 arc(29.04,94.77) 29.1,94.63 29.1,94.42 arc(29.04,94.28) 28.9,94.23 arc(28.76,94.17) 28.71,94.03 28.71,93.82 arc(28.76,93.68) 28.9,93.63 arc(29.04,93.57) 29.1,93.43 29.1,93.22 arc(29.04,93.08) 28.9,93.03 arc(28.76,92.97) 28.71,92.83 28.71,92.62 arc(28.76,92.48) 28.9,92.43 arc(29.04,92.37) 29.1,92.23 29.1,91.4 v3(30.7,89.8)
/PHY.DB13: length 21.9
  Top w0.186: U1.B1 27.5,91.4 27.5,92.21 arc(27.57,92.38) 27.74,92.45 27.75,92.45 arc(27.92,92.52) 27.99,92.69 27.99,92.81 arc(27.92,92.98) 27.75,93.05 27.74,93.05 arc(27.57,93.12) 27.5,93.29 27.5,93.41 arc(27.57,93.58) 27.74,93.65 27.75,93.65 arc(27.92,93.72) 27.99,93.89 27.99,94.01 arc(27.92,94.18) 27.75,94.25 27.74,94.25 arc(27.57,94.32) 27.5,94.49 J7.26
/PHY.DB14: length 25.4
  Top w0.17: J7.31 v3(29.9,111.9)
  In2.Cu w0.177: v3(29.9,111.9) 29.9,95.59 arc(29.96,95.45) 30.1,95.4 arc(30.24,95.34) 30.29,95.2 30.29,94.99 arc(30.24,94.85) 30.1,94.8 arc(29.96,94.74) 29.9,94.6 29.9,94.39 arc(29.96,94.25) 30.1,94.2 arc(30.24,94.14) 30.29,94 30.29,93.79 arc(30.24,93.65) 30.1,93.6 arc(29.96,93.54) 29.9,93.4 29.9,93.19 arc(29.96,93.05) 30.1,93 arc(30.24,92.94) 30.29,92.8 30.29,92.59 arc(30.24,92.45) 30.1,92.4 arc(29.96,92.34) 29.9,92.2 29.9,91.4 v3(31.5,89.8)
/PHY.DB15: length 21.9
  Top w0.127: 30.3,90.2 30.3,89.4 U1.B2
  Top w0.186: J7.30 29.1,95.63 arc(29.04,95.48) 28.89,95.42 arc(28.74,95.35) 28.67,95.2 28.67,95.03 arc(28.74,94.88) 28.89,94.82 arc(29.04,94.75) 29.1,94.6 29.1,94.43 arc(29.04,94.28) 28.89,94.22 arc(28.74,94.15) 28.67,94 28.67,93.83 arc(28.74,93.68) 28.89,93.62 arc(29.04,93.55) 29.1,93.4 29.1,93.23 arc(29.04,93.08) 28.89,93.02 arc(28.74,92.95) 28.67,92.8 28.67,92.63 arc(28.74,92.48) 28.89,92.42 arc(29.04,92.35) 29.1,92.2 29.1,91.4 30.3,90.2
